# Altium PCB PMSM_Motor_Controller_v2_PCB.PcbDoc (part 3 of 3) (continued)
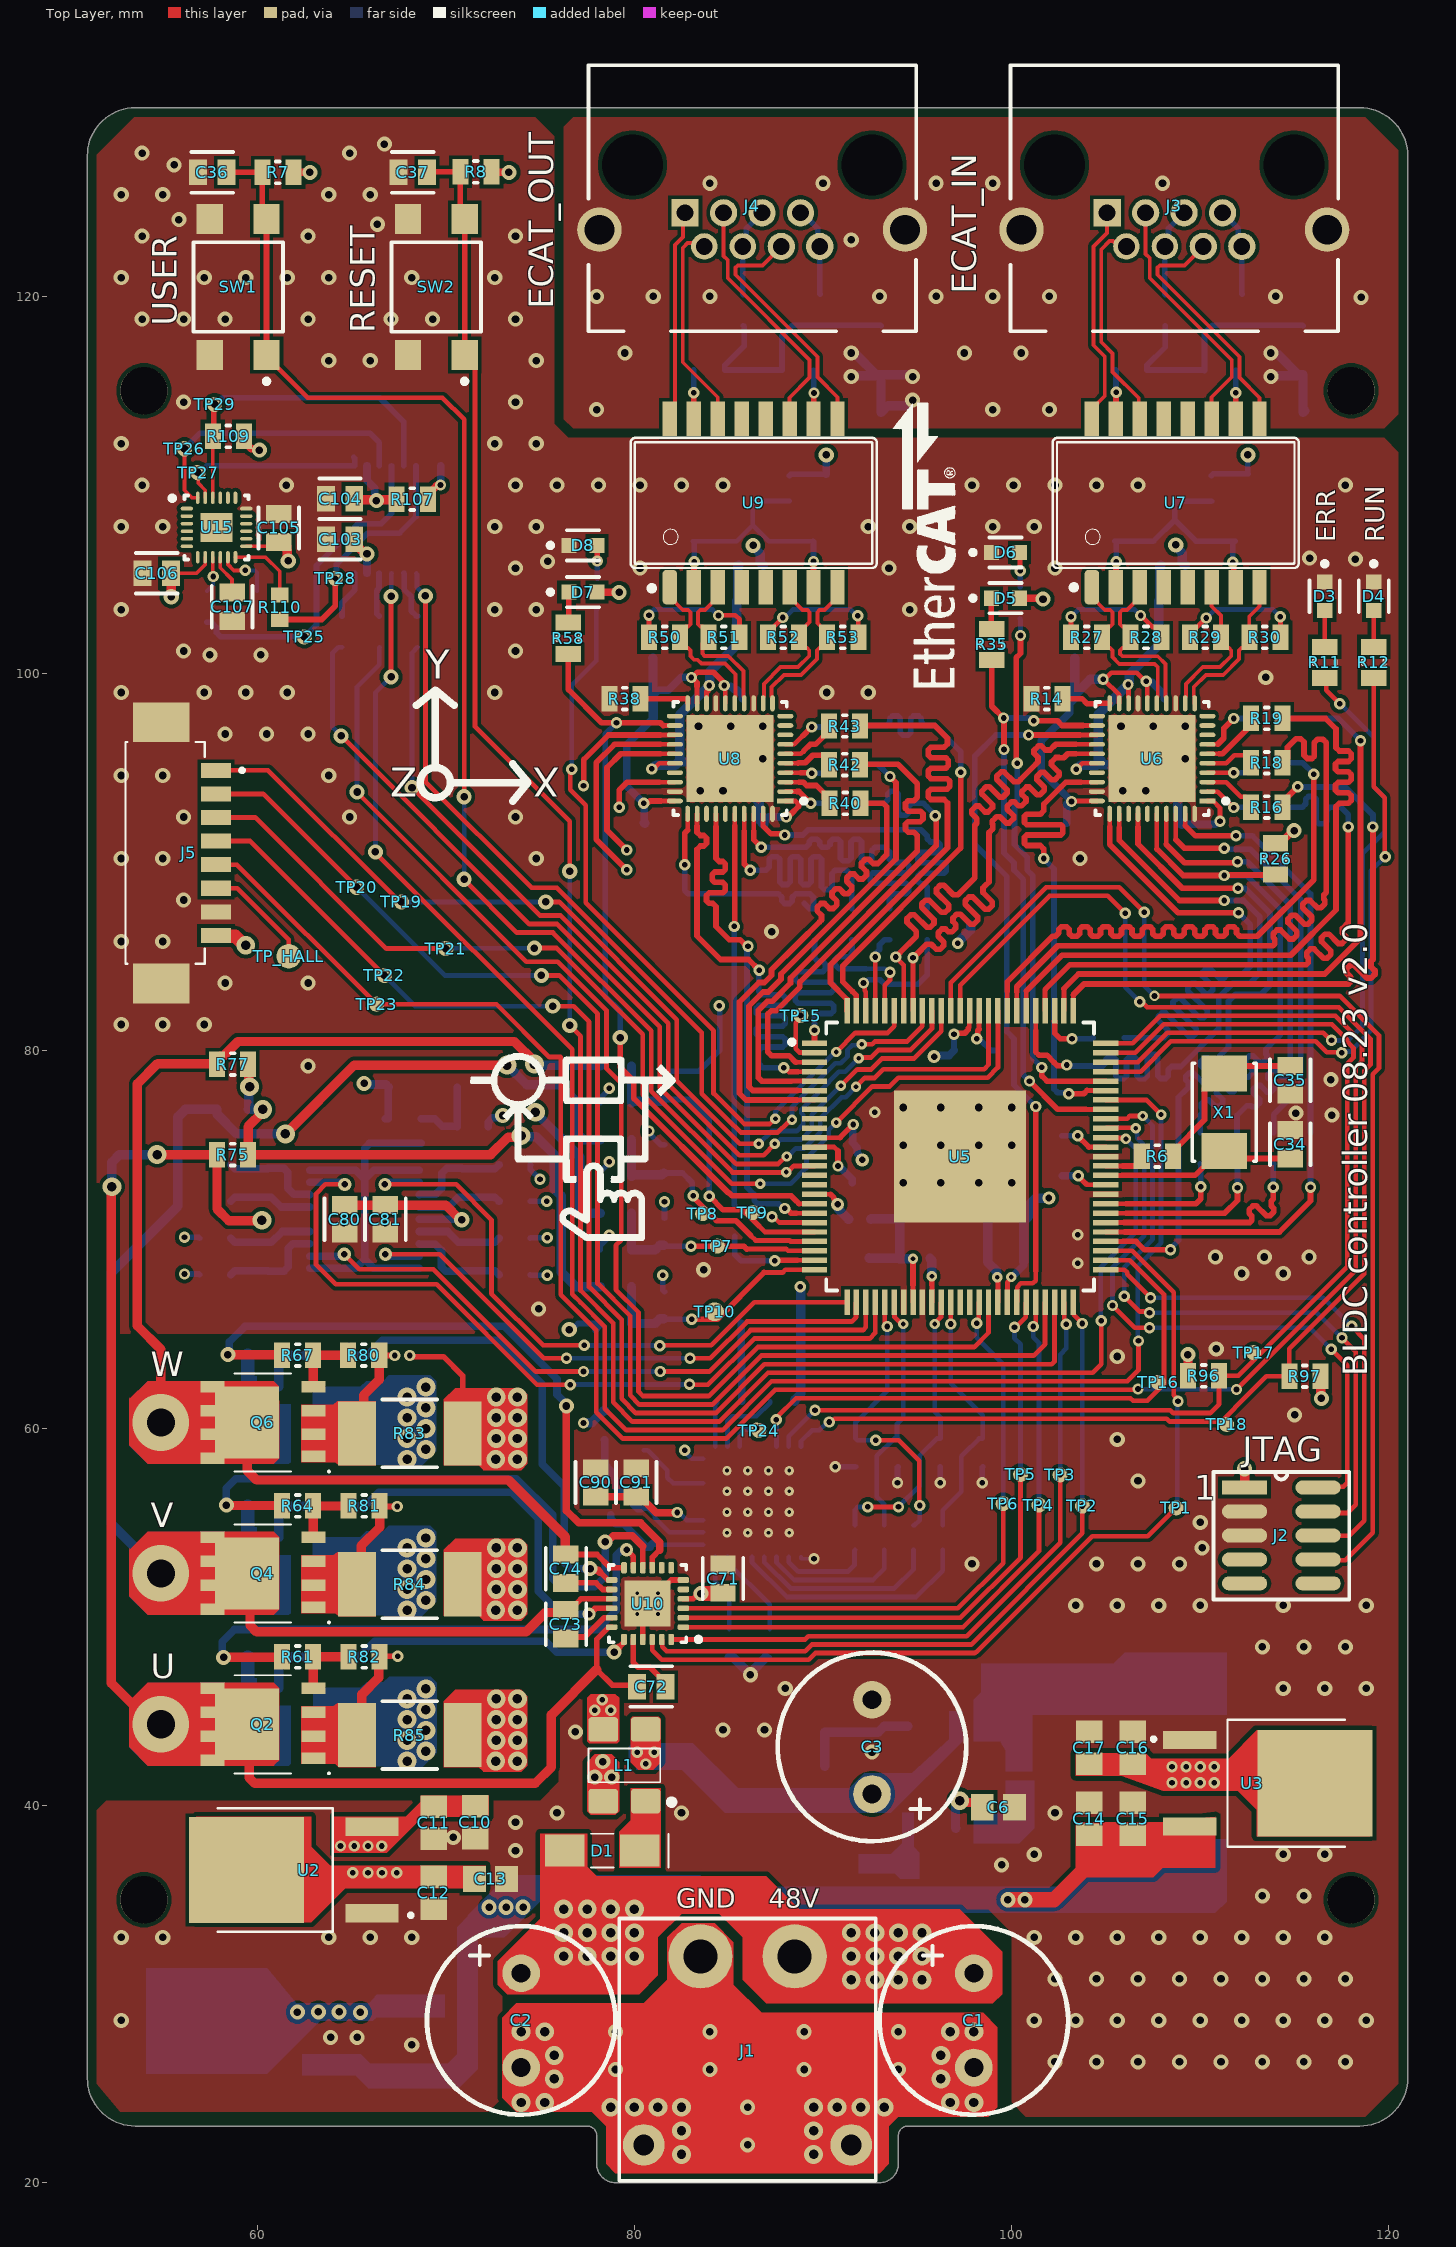
[diagram p0: Top Layer view]
## Nets (pads, with @x,y where several pads share a name; then routed paths per layer and width w, separated by ;. In a path a pad name is that pad's centre, name@x,y a point inside that pad or via, vN(x,y) a via of type N, cw(c..) or ccw(c..) an arc to the next point about the centre after c; other vN are vias at no path point) (continued)
NetR46_2: R46.2 U8.39 | length 18.2
  Top Layer w0.25: 86.825,91.925 U8.39@86.825,92.572
  Top Layer w0.3: 86.825,91.925 87.243,91.507 87.918,91.507 v2(87.975,91.45)
  Bottom Layer w0.3: v2(87.975,91.45) 88.925,91.45 89.2,91.725 95.2,91.725 95.525,91.4 95.525,91.25 95.701,91.074 96.087,91.074 96.225,90.936 96.225,90.659 96.087,90.52 95.166,90.52 95.027,90.382 95.027,90.105 95.166,89.966 96.403,89.966 96.541,89.828 96.541,89.551 96.403,89.412 95.166,89.412 95.027,89.274 95.027,88.997 95.166,88.858 95.349,88.858 95.525,88.683 95.525,88.455 R46.2@95.525,87.55
NetR47_2: R47.2 U8.38 | length 21.6
  Top Layer w0.25: 86.325,91.65 U8.38@86.325,92.572
  Top Layer w0.3: 86.325,91.65 86.325,91.2 v2(86.725,90.8)
  Bottom Layer w0.3: v2(86.725,90.8) 88.943,90.8 89.093,90.8 89.268,90.976 89.268,91.087 89.407,91.225 89.684,91.225 89.822,91.087 89.822,90.937 89.961,90.798 90.238,90.798 90.376,90.937 90.376,91.087 90.515,91.225 90.792,91.225 90.93,91.087 90.93,90.213 91.069,90.075 91.346,90.075 91.484,90.213 91.484,91.087 91.623,91.225 91.9,91.225 92.038,91.087 92.038,90.17 92.177,90.031 92.454,90.031 92.592,90.17 92.592,90.624 92.768,90.8 93.225,90.8 93.275,90.8 93.525,90.55 93.525,90.314 93.525,90.164 93.701,89.988 94.403,89.988 94.541,89.849 94.541,89.572 94.403,89.434 92.647,89.434 92.509,89.295 92.509,89.018 92.647,88.88 94.403,88.88 94.541,88.741 94.541,88.464 94.403,88.326 93.701,88.326 93.525,88.15 R47.2@93.525,87.55
NetR48_2: R48.2 U8.37 | length 18.6
  Top Layer w0.25: 85.825,91.65 U8.37@85.825,92.572
  Top Layer w0.3: 85.825,91.65 85.825,89.901 v2(86.15,89.575)
  Bottom Layer w0.3: v2(86.15,89.575) 86.825,89.575 86.975,89.575 87.151,89.751 87.151,90.162 87.289,90.3 87.566,90.3 87.705,90.162 87.705,88.963 87.843,88.825 88.12,88.825 88.259,88.963 88.259,90.162 88.397,90.3 88.674,90.3 88.813,90.162 88.813,88.963 88.951,88.825 89.228,88.825 89.367,88.963 89.367,90.162 89.505,90.3 89.782,90.3 89.921,90.162 89.921,88.697 90.059,88.559 90.336,88.559 90.475,88.697 90.475,89.399 90.65,89.575 91.05,89.575 91.25,89.575 91.525,89.3 R48.2@91.525,87.55
NetR49_2: R49.2 U8.36 | length 20.8
  Top Layer w0.25: 85.325,91.95 U8.36@85.325,92.572
  Top Layer w0.3: v2(85.3,86.6) 85.325,86.625 85.325,91.95
  Bottom Layer w0.3: v2(85.3,86.6) 85.3,71.85 R49.2@85.325,71.825
NetR54_2: R54.2 U9.10 | length 2.6
  Top Layer w0.3: U9.10@89.5,113.514 89.512,113.527 89.512,114.862 v2(89.525,114.875)
  Bottom Layer w0.3: R54.2@89.5,116.075 89.512,116.062 89.512,114.888 v2(89.525,114.875)
NetR55_2: R55.2 U9.15 | length 2.6
  Top Layer w0.3: U9.15@83.15,113.514 v2(83.15,114.9)
  Bottom Layer w0.3: v2(83.15,114.9) R55.2@83.15,116.1
NetR60_2: R60.2 U10.19 | length 15.7
  Top Layer w0.3: v1@79.175,48.375 79.45,48.65 U10.19@79.45,48.8
  Top Layer w0.4: v1(78.925,48.125) v1@79.175,48.375
  Bottom Layer w0.4: R60.2@64.675,47.875 64.725,47.925 65.45,47.925 66.225,48.7 75.3,48.7 75.875,48.125 v1(78.925,48.125)
NetR61_2: R61.2 U10.11 | length 30.2
  Top Layer w0.3: v6(79.589,53.55) 79.95,53.189 U10.11@79.95,52.6
  Top Layer w0.5: v1(58.225,47.85) 58.238,47.863 61.313,47.863 R61.2@61.325,47.875
  Bottom Layer w0.4: v1(58.225,47.85) 58.148,47.927 58.148,48.673 58.8,49.325 78.025,49.325 79.05,50.35 79.05,53.266 79.284,53.5 79.539,53.5 v6(79.589,53.55)
NetR63_2: R63.2 U10.16 | length 19.5
  Top Layer w0.3: 77.909,50.425 77.934,50.45 U10.16@78.8,50.45
  Top Layer w0.35: v6(77.6,50.141) 77.625,50.141 77.909,50.425
  Bottom Layer w0.4: R63.2@64.675,55.875 65.725,55.875 66.45,56.6 73.5,56.6 74.9,55.2 74.9,51.35 76.108,50.142 v6(77.6,50.141) v6(77.6,50.141)
NetR64_2: R64.2 U10.10 | length 34.1
  Top Layer w0.3: U10.10@80.45,52.6 80.45,53.749
  Top Layer w0.4: v1(78.45,53.975) 78.558,53.975 78.883,54.3 79.899,54.3 80.45,53.749
  Top Layer w0.5: v1(58.375,55.925) 58.4,55.9 61.3,55.9 R64.2@61.325,55.875
  Bottom Layer w0.4: v1(58.375,55.925) 58.375,56.825 58.875,57.325 73.75,57.325 75.675,55.4 75.675,52.025 76.1,51.6 77.9,51.6 78.45,52.15 v1(78.45,53.975)
NetR66_2: R66.2 U10.13 | length 25.2
  Top Layer w0.3: 78.175,52.372 78.597,51.95 U10.13@78.8,51.95
  Top Layer w0.4: v1(77.65,52.55) 77.727,52.473 78.074,52.473 78.175,52.372
  Bottom Layer w0.4: R66.2@64.875,64.35 64.65,64.125 R66.2@64.65,63.875 65.85,63.875 66.625,64.65 72.8,64.65 75.125,62.325 75.125,58.075 76.275,56.925 76.275,52.875 76.6,52.55 v1(77.65,52.55)
NetR67_2: R67.2 U10.9 | length 36.8
  Top Layer w0.3: U10.9@80.95,52.6 80.95,53.15 81.338,53.537
  Top Layer w0.4: v1(76.4,61.175) 76.4,55.634 77.059,54.975 80.325,54.975 81.338,53.963 81.338,53.537
  Top Layer w0.5: v1(58.45,63.9) 58.462,63.887 61.312,63.887 R67.2@61.325,63.875
  Bottom Layer w0.4: v1(58.45,63.9) 58.527,63.977 58.527,64.567 59.359,65.4 73.1,65.4 75.9,62.6 75.9,61.783 76.4,61.283 v1(76.4,61.175)
NetR75_1: R75.1 R76.1 R77.1 R78.2 | length 31.8
  Top Layer w0.5: R77.1@59.525,79.3 59.562,79.262 59.562,78.137 v3(59.6,78.1) ; v3(60.3,76.9) 60.3,76.765 59.525,75.99 59.525,74.9 R75.1@59.525,74.5 72.379,74.5 73.305,75.427 73.927,75.427 v3(74,75.5)
  Bottom Layer w0.5: v3(59.6,78.1) 59.562,78.062 59.562,76.938 R76.1@59.525,76.9 v3(60.3,76.9) ; v3(74,75.5) 74.043,75.457 74.793,75.457 75.75,74.5 75.75,72.686 76.125,72.311 76.125,68.275 76.9,67.5 R78.2@78.2,67.5
NetR86_2: R86.2 R87.1 U11.1 | length 4.2
  Bottom Layer w0.4: U11.1@68.7,76.4 69.416,76.4 69.809,76.006 70.569,76.006 R86.2@70.6,75.975 R87.1@70.6,78.075
NetR98_1: R98.1 U13.20 | length 10.2
  Bottom Layer w0.25: U13.20@86.885,53.175 86.885,52.9 88.285,51.5 93.775,51.5 94.8,52.525 R98.1@94.8,53.55
NetR99_1: R99.1 U13.19 | length 7.6
  Bottom Layer w0.25: U13.19@87.535,53.175 87.535,52.9 88.485,51.95 92.65,51.95 93.25,52.55 R99.1@93.25,53.55
NetR100_1: R100.1 U13.18 | length 4.9
  Bottom Layer w0.25: U13.18@88.185,53.175 88.185,52.9 88.685,52.4 91.325,52.4 91.675,52.75 91.675,53.525 R100.1@91.7,53.55
NetR101_1: R101.1 U13.21 | length 12.8
  Bottom Layer w0.25: U13.21@86.235,53.175 86.235,52.9 88.085,51.05 94.95,51.05 96.35,52.45 R101.1@96.35,53.55
NetR102_1: R102.1 U13.1 | length 2.5
  Bottom Layer w0.25: U13.1@84.285,59.025 84.285,61.31 R102.1@84.4,61.425 R102.1@84.4,61.35
NetR103_1: R103.1 U13.2 | length 4.1
  Bottom Layer w0.25: U13.2@84.935,59.025 84.935,60.36 85.2,60.625 86.475,60.625 87.2,61.35 R103.1@87.2,61.425
NetR104_1: R104.1 U14.16 | length 2.6
  Bottom Layer w0.3: R104.1@64.5,103.05 64.5,103.763 65.175,104.438 U14.16@65.175,105.325
NetR105_1: R105.1 U14.14 | length 2.4
  Bottom Layer w0.3: R105.1@66.475,103.05 66.35,103.175 66.35,104.411 66.466,104.527 66.466,105.316 U14.14@66.475,105.325
NetR106_1: R106.1 U14.12 | length 2.6
  Bottom Layer w0.3: U14.12@67.775,105.325 67.793,105.307 67.793,104.468 68.175,104.086 68.175,103.325 68.45,103.05 R106.1@68.5,103.05
NetR107_1: R107.1 U14.8 | length 2.2
  Top Layer w0.4: R107.1@69.05,109.25 69.05,109.5 69.512,109.962 69.687,109.962 v2(69.725,110)
  Bottom Layer w0.4: v2(69.725,110) U14.8@69.725,111.025
NetR108_2: R108.2 U15.9 | length 2
  Top Layer w0.2: U15.9@57.65,106.175 57.65,105.17 v2(57.67,105.15) 57.67,105.195 v2@57.7,105.225
  Bottom Layer w0.2: R108.2@57.325,104.375 57.345,104.375 57.67,104.7 v2(57.67,105.15)
NetR110_1: R110.1 U15.12 | length 3.9
  Top Layer w0.2: U15.12@58.85,106.175 60.45,106.175 61.2,105.425 R110.1@61.2,104.175
NetR111_2: R111.2 U15.11 | length 3.1
  Top Layer w0.2: U15.11@58.45,106.175 58.45,105.784 58.759,105.475 v2(59.364,105.475)
  Bottom Layer w0.2: v2(59.364,105.475) 59.883,105.475 60,105.358 R111.2@60,104.375
NetU11_3: U11.3 U11.4 U12.1 U12.9 U12.12 U12.20 | length 21.4
  Bottom Layer w0.4: U12.12@62.8,68.475 65.225,68.475 65.7,68.95 ; U12.20@62.8,73.675 65.225,73.675 65.7,73.2 ; U12.9@68.6,68.475 66.175,68.475 65.7,68.95 ; U12.1@68.6,73.675 66.175,73.675 65.7,73.2 ; U11.3@68.7,75.1 U11.4@66.8,75.1 65.959,75.1 65.7,74.841 65.7,73.2 ; 65.7,68.95 65.7,73.2
OUT_PFB: C59.1 C60.1 C61.1 C62.1 U8.16 U8.19 U8.30 | length 20.2
  Top Layer w0.25: 81.4,93.25 U8.30@82.147,93.25 ; 83.317,99.318 83.325,99.31 U8.19@83.325,98.428 ; v2(84.767,99.375) 84.821,99.321 84.821,98.432 U8.16@84.825,98.428
  Top Layer w0.3: v2(80.5,93.125) 80.557,93.182 80.758,93.182 80.826,93.25 81.4,93.25 ; 83.317,99.318 83.317,99.525 83.042,99.8 v2(83.025,99.8) 83.072,99.8 83.351,100.079 84.183,100.079 84.71,99.552 84.71,99.432 v2(84.767,99.375)
  Bottom Layer w0.4: v2(80.5,93.125) 79.6,94.025 79.6,96.225 81,97.625 ; C62.1@80.525,92.1 v2@80.525,93.1 ; C60.1@81,98.675 81,98.85 81.275,99.125 81.8,99.125 82.475,99.8 v2(83.025,99.8) ; v2@84.825,99.35 84.8,99.375 v2(84.767,99.375) 84.806,99.337 85.113,99.337 85.3,99.15 85.45,99.15 85.725,98.875 C61.1@85.725,98.675
  Bottom Layer w0.5: v2(80.5,93.125) v2@80.525,93.1 ; C62.1@80.525,92.1 C62.1@80.55,92.075 ; C59.1@80.975,100.825 80.988,100.812 80.988,98.687 C60.1@81,98.675 81,97.625
OUT_RD_N: R53.1 U8.11 U9.8 | length 8.8
  Top Layer w0.206: U8.11@87.325,98.428 87.325,98.745 87.28,98.79 87.28,99.289 87.926,99.935 88.844,99.935 89.68,100.771 89.68,101.232 89.8,101.353 89.903,101.353 90.225,101.675 90.225,102.175 89.705,102.695 89.705,103.254 89.825,103.375 90.086,103.375 90.77,104.059 U9.8@90.77,104.586
OUT_RD_P: R52.1 U8.12 U9.6 | length 8.8
  Top Layer w0.206: U8.12@86.825,98.428 86.825,98.745 86.87,98.79 86.87,99.459 87.756,100.345 88.674,100.345 89.27,100.941 89.27,101.232 89.15,101.353 89.047,101.353 88.725,101.675 88.725,102.175 89.295,102.745 89.295,103.254 89.175,103.375 88.914,103.375 88.23,104.059 U9.6@88.23,104.586
OUT_TD_N: R51.1 U8.14 U9.3 | length 8.8
  Top Layer w0.206: U9.3@84.42,104.586 84.42,104.059 83.736,103.375 83.5,103.375 83.38,103.254 83.38,102.618 83.5,102.497 83.603,102.497 83.925,102.175 R51.1@83.925,101.925 83.603,101.603 83.603,101.062 83.724,100.941 84.979,100.941 85.78,100.14 85.78,98.79 85.825,98.745 U8.14@85.825,98.428
OUT_TD_P: R50.1 U8.15 U9.1 | length 9.2
  Top Layer w0.206: U9.1@81.88,104.586 81.88,104.059 82.564,103.375 82.85,103.375 82.97,103.254 82.97,102.618 82.85,102.497 82.747,102.497 82.425,102.175 82.425,101.675 82.747,101.353 82.85,101.353 82.97,101.232 82.97,100.93 83.164,100.737 83.349,100.737 83.554,100.532 84.809,100.532 85.37,99.97 85.37,98.79 85.325,98.745 U8.15@85.325,98.428
R\E\S\E\T\: C37.1 R8.2 SW2.1 SW2.2 U5.65 | length 111.9
  Top Layer w0.25: SW2.1@71,116.9 71.55,116.35 71.55,97.2 76.575,92.175 v1(76.575,89.525) ; v1(76.575,81.35) 77.15,80.775 77.15,67.298 78.875,65.573 78.875,61.374 79.899,60.35 84.496,60.35 87.085,62.939 104.293,62.939 104.75,63.396 v2(104.75,65.7) ; U5.65@105,75.4 105.02,75.38 106.014,75.38 v4(106.061,75.333)
  Top Layer w0.3: C37.1@69,126.575 69.025,126.6 R8.2@70.775,126.6 70.775,124.325 SW2.2@71,124.1 SW2.1@71,116.9
  Bottom Layer w0.25: v1(76.575,81.35) v1(76.575,89.525) ; v2(104.75,65.7) 104.725,65.725 104.725,68.543 106.575,70.393 106.575,74.819 v4(106.061,75.333)
RJ45_IN_RD_N: J3.6 U7.9 | length 13.2
  Top Layer w0.206: J3.6@110.165,122.65 109.162,121.647 107.854,121.647 107.733,121.526 107.733,121.149 112.08,116.803 112.08,115.695 113.145,114.63 U7.9@113.145,113.514
RJ45_IN_RD_P: J3.3 U7.11 | length 13.2
  Top Layer w0.206: J3.3@107.105,124.43 107.105,122.251 107.324,122.032 107.324,120.98 111.67,116.634 111.67,115.72 110.605,114.655 U7.11@110.605,113.514
RJ45_IN_TD_N: J3.2 U7.14 | length 11.5
  Top Layer w0.206: J3.2@106.085,122.65 105.857,122.878 105.421,122.878 105.367,122.932 105.197,122.932 104.75,122.486 104.75,117.579 105.348,116.98 105.348,116.002 106.74,114.61 106.74,113.57 U7.14@106.795,113.514
RJ45_IN_TD_P: J3.1 U7.16 | length 11.7
  Top Layer w0.206: U7.16@104.255,113.514 104.255,114.041 104.939,114.725 104.939,116.811 104.461,117.289 104.341,117.409 104.341,122.655 105.05,123.364 105.05,124.415 J3.1@105.065,124.43
RJ45_OUT_RD_N: J4.6 U9.9 | length 13.2
  Top Layer w0.206: J4.6@87.79,122.65 86.787,121.647 85.479,121.647 85.358,121.526 85.358,121.149 89.705,116.803 89.705,115.72 90.77,114.655 U9.9@90.77,113.514
RJ45_OUT_RD_P: J4.3 U9.11 | length 13.2
  Top Layer w0.206: J4.3@84.73,124.43 84.73,122.145 84.949,121.926 84.949,120.98 89.295,116.634 89.295,115.695 88.23,114.63 U9.11@88.23,113.514
RJ45_OUT_TD_N: J4.2 U9.14 | length 11.1
  Top Layer w0.206: J4.2@83.71,122.65 83.538,122.822 82.822,122.822 82.564,122.564 82.564,116.511 84.42,114.655 U9.14@84.42,113.514
RJ45_OUT_TD_P: J4.1 U9.16 | length 11.3
  Top Layer w0.206: U9.16@81.88,113.514 82.155,113.789 82.155,122.734 82.573,123.152 82.573,124.313 J4.1@82.69,124.43
U: C72.2 Q1.S Q2.D R62.1 R69.2 R75.2 U10.18 | length 104.4
  Top Layer w0.3: U10.18@78.8,49.45 78.65,49.45 78,48.8 78,47.2 78.825,46.375 80.075,46.375 C72.2@80.15,46.3
  Top Layer w0.5: v3(52.3,72.8) 52.275,72.775 52.275,46.475 54.45,44.3 v7(54.9,44.3) ; v3(54.7,74.5) R75.2@57.875,74.5 57.875,71.625 58.5,71 60.225,71 v3(60.25,71.025) ; Q2.D@59.47,44.3 59.575,44.195 59.575,41.468 59.868,41.175 74.75,41.175 75.6,42.025 75.6,44.8 78,47.2
  Int2 (PWR) w0.5: v3(60.25,71.025) 61.775,71.025 63.25,72.5 63.25,78 65,79.75 68.307,79.75 70.057,78 73.5,78 v3(74.75,76.75)
  Bottom Layer w0.5: v3(52.3,72.8) 52.3,74.1 52.7,74.5 v3(54.7,74.5) ; v3(74.75,76.75) 77.1,74.4 77.1,71.7 77.4,71.4 R69.2@78.2,71.4
  Bottom Layer w0.7: R62.1@59.5,47.875 59.5,46.536 59.537,46.499
USR_BTN: C36.1 R7.2 SW1.1 SW1.2 U5.14 | length 75
  Top Layer w0.25: SW1.1@60.5,116.9 60.5,116.8 62.675,114.625 69.825,114.625 70.975,113.475 v1(70.975,93.475) ; v1(70.975,89.1) 70.975,89.076 73.776,86.275 75.686,86.275 80.9,81.061 80.9,77.864 85.208,73.556 88.031,73.556 v4(88.05,73.575) 88.131,73.575 88.456,73.9 U5.14@89.55,73.9
  Top Layer w0.3: C36.1@58.375,126.575 R7.2@60.275,126.575 60.275,124.325 SW1.2@60.5,124.1 SW1.1@60.5,116.9
  Bottom Layer w0.25: v1(70.975,89.1) v1(70.975,93.475)
V: C73.2 Q3.S Q4.D R65.1 R71.2 R76.2 U10.15 | length 78.5
  Top Layer w0.3: C73.2@76.725,50.35 76.725,50.5 77.175,50.95 U10.15@78.8,50.95
  Top Layer w0.5: Q4.D@59.47,52.3 59.625,52.145 59.625,49.55 59.975,49.2 74.259,49.2 75.287,50.228 76.253,50.228 C73.2@76.375,50.35 C73.2@76.725,50.35 ; v3(61.5,75.6) 65.15,79.25 v3(73.25,79.25)
  Bottom Layer w0.5: v7(54.9,52.3) 52.275,54.925 52.275,68.25 55.8,71.775 55.8,76.5 56.2,76.9 R76.2@57.875,76.9 57.875,76.65 58.925,75.6 v3(61.5,75.6) ; v3(73.25,79.25) 74.298,78.202 76.048,78.202 77,77.25 77,75.593 77.293,75.3 R71.2@78.2,75.3
  Bottom Layer w0.7: R65.1@59.5,55.875 59.5,54.536 59.537,54.499
VDDC: C29.1 C30.1 C31.1 C32.1 C33.1 U5.12 U5.42 U5.64 U5.86 | length 45.9
  Top Layer w0.25: U5.12@89.55,74.9 90.6,74.9 90.8,74.7 ; 98.275,81.15 U5.86@98.275,82.125 ; v4(99.236,67.999) 99.275,67.96 U5.42@99.275,66.675 ; 104.1,74.9 U5.64@105,74.9
  Top Layer w0.3: v2(90.8,73.9) 90.8,74.7 ; v2(98.15,80.65) 98.207,80.707 98.207,81.082 98.275,81.15 ; v2(103.5,75.5) 104.1,74.9
  Int2 (PWR) w0.4: v2(90.8,73.9) 90.805,73.9 95.405,69.3 97.935,69.3 v4(99.236,67.999) 99.265,68.027 99.265,68.248 102.017,71 102.466,71 102.825,71.359 102.825,74.825 v2(103.5,75.5) 103.5,77.21 104.1,77.81 104.1,80.9 103.65,81.35 98.829,81.35 98.594,81.116 98.594,81.094 v2(98.15,80.65)
  Bottom Layer w0.3: v2(98.15,80.65) 98.207,80.593 98.332,80.593 98.9,80.025 C33.1@99.1,80.025 ; C32.1@102.65,75.5 v2(103.5,75.5)
  Bottom Layer w0.4: v2(90.8,73.9) 90.829,73.871 90.879,73.871 91.55,73.2 C30.1@91.55,73
  Bottom Layer w0.5: C29.1@98.725,71.15 C31.1@98.725,69 98.725,68.8 99.227,68.298 99.227,68.008 v4(99.236,67.999)
W: C74.2 Q5.S Q6.D R68.1 R73.2 R77.2 U10.12 | length 71.3
  Top Layer w0.3: C74.2@76.725,53.3 78.025,53.3 78.725,52.6 U10.12@79.45,52.6
  Top Layer w0.5: v7(54.9,60.3) 54.9,64.175 53.65,65.425 53.65,78.25 54.725,79.325 R77.2@57.875,79.325 ; R77.2@57.875,79.3 57.875,79.55 58.05,79.725 58.214,79.725 58.989,80.5 73.635,80.5 74.7,79.435 v3(74.7,79.3) ; Q6.D@59.47,60.3 59.47,57.755 59.975,57.25 73.325,57.25 76.343,54.232 76.343,53.332 C74.2@76.375,53.3 C74.2@76.725,53.3
  Bottom Layer w0.5: v3(74.7,79.3) 74.75,79.25 78.15,79.25 R73.2@78.2,79.2
  Bottom Layer w0.7: R68.1@59.5,63.875 59.5,62.536 59.537,62.499
pads on no net: J2.7 J2.9 J2.10 J3.MH3 J3.MH4 J4.MH3 J4.MH4 R94.1 R95.1 U5.8 U5.9 U5.10 U5.13 U5.15 U5.16 U5.38 U5.39 U6.8 U6.9 U6.10 U6.21 U6.27 U6.33 U6.35 U7.4 U7.5 U7.12 U7.13 U8.8 U8.9 U8.10 U8.21 U8.27 U8.33 U8.35 U9.4 U9.5 U9.12 U9.13 U10.5 U10.7 U10.8 U12.10 U12.11 U13.5 U13.9 U13.10 U13.11 U13.12 U13.13 U13.14 U13.15 U13.16 U13.22 U13.31 U14.7 U14.10 U15.1 U15.2 U15.3 U15.4 U15.5 U15.6 U15.7 U15.14 U15.15 U15.16 U15.17 U15.19 U15.20 U15.21 U15.25

## Polygon pours and split planes (outlines as drawn)
3.3V on Int2 (PWR) "3.3V_L03_P012" (solid, pour order 12): 100,33.25 100,24.275 100.775,23.5 118.75,23.5 120.5,25.25 120.5,111.75 119.75,112.5 76.5,112.5 75.75,113.25 75.75,129 75.25,129.5 53.5,129.5 51.5,127.5 51.5,64.5 52,64 69,64 70,63 70,38 72.25,35.75 83.75,35.75 85.25,34.25 99,34.25
+48V_CON on Int2 (PWR) "+48V_CON_L03_P000" (solid, pour order 0): 98.75,33.75 97.5,33.75 85,33.75 83.25,35.5 71.75,35.5 69.75,37.5 69.75,62.5 69,63.25 52.25,63.25 51.5,62.5 51.5,25.25 52.75,23.75 77.75,23.75 78.5,23 78.5,21 79,20.5 93,20.5 93.5,21 93.5,23 94,23.5 98.75,23.5 99.5,24.25 99.5,33
GND_CHASIS on Int2 (PWR) "GND_CHASIS_L03_P005" (solid, pour order 5): 118.75,129.5 120.5,127.75 120.5,113.75 119.75,113 76.75,113 76.25,113.5 76.25,129 76.75,129.5
GND_C on Int1 (GND) "GND_C_L02_P016" (solid, pour order 16): 99.25,24 99.25,32.5 97.25,34.5 88.75,34.5 76.5,46.75 76.5,47 74.5,49 74.5,63 76.5,65 81.75,65 82.75,66 85.3,79.3 85.3,82.4 79,82.4 75,77.75 75,77.5 71.5,74 71.5,66 68.75,63.25 52.25,63.25 51.5,62.5 51.5,25 52.75,23.75 77.75,23.75 78.5,23 78.5,21 79,20.5 93,20.5 93.5,21 93.5,23 94,23.5 98.75,23.5
GND on Int1 (GND) "GND_L02_P018" (solid, pour order 18): 100,32.25 100,24.25 100.75,23.5 118.75,23.5 120.5,25.25 120.5,111.75 119.75,112.5 76.5,112.5 75.75,113.25 75.75,128.75 75,129.5 53.5,129.5 51.5,127.5 51.5,64.25 52,63.75 68.25,63.75 71,66.5 71,74.75 79.05,82.8 85.9,82.8 85.8,78.3 82.989,65.775 81.714,64.5 76.75,64.5 75,62.75 75,49.25 89.25,35 97.25,35
GND_CHASIS on Int1 (GND) "GND_CHASIS_L02_P008" (solid, pour order 8): 118.75,129.5 120.5,127.75 120.5,113.75 119.75,113 76.75,113 76.25,113.5 76.25,129 76.75,129.5
GND on Top Layer "GND_L01_P013" (solid, remove dead copper, pour order 13): 100.75,23.5 100,24.25 100,33.25 98.75,34.5 88.75,34.5 87,36.25 75,36.25 75,34 73,32 73,24.5 72.25,23.75 52.75,23.75 51.5,25.25 51.5,39.75 52,40.25 52.5,40.25 75,40.25 76,41.25 76,61.5 72.5,65 52,65 51.5,65.5 51.5,127.5 53.5,129.5 74.75,129.5 75.75,128.5 75.75,113.25 76.5,112.5 119.75,112.5 120.5,111.75 120.5,25.25 118.75,23.5
GND_CHASIS on Top Layer "GND_CHASIS_L01_P009" (solid, pour order 9): 118.75,129.5 120.5,127.75 120.5,113.75 119.75,113 76.75,113 76.25,113.5 76.25,129 76.75,129.5
GND on Bottom Layer "GND_L04_P014" (solid, remove dead copper, pour order 14): 100.75,23.5 100,24.25 100,33.25 98.75,34.5 88.75,34.5 87,36.25 75,36.25 75,34 73,32 73,24.5 72.25,23.75 52.75,23.75 51.5,25.25 51.5,39.75 52,40.25 52.5,40.25 75,40.25 76,41.25 76,61.5 72.5,65 52,65 51.5,65.5 51.5,127.5 53.5,129.5 74.75,129.5 75.75,128.5 75.75,113.25 76.5,112.5 119.75,112.5 120.5,111.75 120.5,25.25 118.75,23.5
GND_CHASIS on Bottom Layer "GND_CHASIS_L04_P010" (solid, pour order 10): 118.75,129.5 120.5,127.75 120.5,113.75 119.75,113 76.75,113 76.25,113.5 76.25,129 76.75,129.5

## Other copper
Top Layer:
  region net 5V: 64.675,35.6 62.875,33.8 56.775,33.8 56.775,39.4 62.875,39.4 62.875,37.8 63.875,36.8 68.675,36.8 72.125,36.8 72.125,35.6
  region net 10V: 108,39.113 110.8,39.4 110.8,36.7 108,36.7 107.5,36.2 103.4,36.2 103.4,39.113
  region net 10V: 72.275,40.5 68.675,40.5 68.675,40.2 67.875,39.4 64.1,39.4 64.1,37.5 66.875,37.5 68.275,38.9 68.775,39.4 72.275,39.4
  region net 3.3V: 103.4,42.775 107.1,42.775 107.4,42.475 111.5,42.475 113,43.975 119,43.975 119,38.375 113,38.375 113,39.775 112,40.775 108,40.775 105.8,41.575 103.4,41.575
  region net GND: 77.6,43.3 79.1,43.3 79.2,43.4 79.2,45.7 79,45.9 77.7,45.9 77.5,45.7 77.5,43.4
  region net +48V: 79.8,44.6 79.9,44.7 81.3,44.7 81.4,44.6 81.4,42.3 81,41.9 80.2,41.9 79.8,42.3
  region net GND_C: 77.7,39.5 79,39.5 79.2,39.7 79.2,42.3 78.8,42.7 77.9,42.7 77.5,42.3 77.5,39.7
  region net GND_C: 82.5,33.75 84.25,33.75 85.25,32.75 85.25,30.5 86.75,29 98.5,29 99.25,28.25 99.25,24 98.75,23.5 94,23.5 93.5,23 93.5,21 93,20.5 79,20.5 78.5,21 78.5,23 77.75,23.75 73.75,23.75 73,24.5 73,28.75 73.75,29.5 80.5,29.5 81.75,30.75 81.75,33
  region net +48V_CON: 99,29.5 99.5,30 99.5,32.25 97.25,34.5 88.75,34.5 87,36.25 78,36.25 77.5,36.75 77.5,38.5 75,38.5 75,34 72.75,31.75 72.75,30.5 73.25,30 80.25,30 81.25,31 81.25,33 82.5,34.25 84.5,34.25 85.75,33 85.75,30.75 87,29.5
  region net NetD1_2: 79.2,36.7 79.2,38.6 79.8,39.2 79.8,40.9 81.4,40.9 81.4,36.7
  region net GND_C: 71.75,42.025 71.95,41.825 72,41.775 73.991,41.775 74.325,42.109 74.325,45.8 74,46.125 70.5,46.125 69.9,45.525 69.9,42.025 71.375,42.025
  region net GND_C: 71.75,58.025 71.95,57.825 72,57.775 73.991,57.775 74.325,58.109 74.325,61.8 74,62.125 70.5,62.125 69.9,61.525 69.9,58.025 71.375,58.025
  region net GND_C: 71.75,50.05 71.95,49.85 72,49.8 73.991,49.8 74.325,50.134 74.325,53.825 74,54.15 70.5,54.15 69.9,53.55 69.9,50.05 71.375,50.05
  region net NetQ2_S: 62.35,42.2 64.15,42.2 64.325,42.025 66.3,42.025 66.3,45.425 64.25,45.425 64.05,45.25 64.025,45.25 62.35,45.25 62.35,45.2
  region net NetQ4_S: 62.35,50.2 64.15,50.2 64.325,50.025 66.3,50.025 66.3,53.425 64.25,53.425 64.05,53.25 64.025,53.25 62.35,53.25 62.35,53.2
  region net U: 61.175,44.725 61.175,46.223 60.875,46.5 60.775,46.5 54.2,46.5 53.225,45.525 53.225,45.625 53.225,43.1 54.2,42.1 60.875,42.1 60.975,42.2 61.175,42.4
  region net V: 61.175,52.725 61.175,54.223 60.875,54.5 60.775,54.5 54.2,54.5 53.225,53.525 53.225,53.625 53.225,51.1 54.2,50.1 60.875,50.1 60.975,50.2 61.175,50.4
  region net W: 61.175,60.725 61.149,62.226 60.875,62.5 60.775,62.5 54.2,62.5 53.225,61.525 53.225,61.625 53.225,59.1 54.2,58.1 60.875,58.1 60.975,58.2 61.175,58.4
  region net NetQ6_S: 62.35,58.2 64.15,58.2 64.325,58.025 66.3,58.025 66.3,61.425 64.25,61.425 64.05,61.25 64.025,61.25 62.35,61.25 62.35,61.2
Bottom Layer:
  region net 10V: 70.1,26.3 70.5,26.7 70.6,26.8 70.6,33.55 71.225,34.175 74.2,34.1 73.1,33 71.7,33 71.7,26 70.7,25 70.1,25
  region net 10V: 62.4,26.8 65.5,26.8 66,26.3 70.1,26.3 70.1,25 65.9,25 65.2,25.7 62.4,25.7
  region net 1.8V: 69.935,29.975 69.935,28.775 66.335,28.775 66.135,28.575 63.335,28.575 60.55,25.775 54.125,25.775 54.125,31.375 60.535,31.375 62.075,29.5 65.955,29.5 66.335,29.975
  region net 10V: 111.4,38.2 111.4,34.9 110.8,34.3 83.6,34.3 82.7,35.2 75.3,35.2 73.2,33.1 74.15,34.05 71.75,34.1 71.2,34.1 71.15,34.1 71.2,34.2 73.3,36.3 83.5,36.3 84.1,35.7 103.5,35.7 106,38.2
  region net NetR3_1: 94.8,39.6 94.8,37.8 95.1,37.5 95.1,36.1 94.1,36.1 93.8,36.4 91.9,36.4 91.9,37.4 93.6,37.4 94.2,38 94.2,39.6
  region net NetC5_2: 98,39.6 99.2,39.6 99.7,40.1 99.7,41.3 101.2,41.3 101.2,38.8 100.4,38 98,38
  region net +48V: 97.4,45 97.4,43.4 93.6,39.6 84.8,39.6 82.5,41.9 80.1,41.9 80.1,42 79.7,42.4 79.7,43.1 79.9,43.3 83.1,43.3 85.5,40.9 91.4,40.9 92.2,41.7 94.7,41.7 96.7,43.518 96.7,45
  region net NetC5_1: 111.4,48.1 106,48.1 105.4,47.5 98.4,47.5 98.4,46 98,45.6 98,43.4 99.4,43.4 99.7,42.9 99.7,41.8 101.1,41.8 101.1,44.8 103.325,44.8 111.4,44.8
  region net +48V_CON: 69.175,62.8 69.5,62.475 69.5,58.775 69.175,58.45 68.65,57.925 66.8,57.925 66.675,58.05 65.775,58.05 65.475,58.35 62.95,58.35 62.95,62.2 65.475,62.2 65.775,62.5 66.675,62.5 66.975,62.8
  region net +48V_CON: 69.2,46.825 69.525,46.5 69.525,42.8 69.2,42.475 68.675,41.95 66.825,41.95 66.7,42.075 65.8,42.075 65.5,42.375 62.975,42.375 62.975,46.225 65.5,46.225 65.8,46.525 66.7,46.525 67,46.825
  region net +48V_CON: 69.175,54.825 69.5,54.5 69.5,50.8 69.175,50.475 68.65,49.95 66.8,49.95 66.675,50.075 65.775,50.075 65.475,50.375 62.95,50.375 62.95,54.225 65.475,54.225 65.775,54.525 66.675,54.525 66.975,54.825
  region net W: 59.975,62.75 59.788,62.75 59.537,62.499 54.2,62.499 53.225,61.524 53.225,59.075 54.2,58.1 61.675,58.1 61.775,58.2 61.775,61.275 60.475,61.275 59.975,61.775
  region net V: 59.975,54.75 59.788,54.75 59.537,54.499 54.2,54.499 53.225,53.524 53.225,51.075 54.2,50.1 61.675,50.1 61.775,50.2 61.775,53.275 60.475,53.275 59.975,53.775
  region net U: 59.975,46.75 59.788,46.75 59.537,46.499 54.2,46.499 53.225,45.524 53.225,43.075 54.2,42.1 61.675,42.1 61.775,42.2 61.775,45.275 60.475,45.275 59.975,45.775

## Silkscreen, mask and mechanical layers (free items; w line width, h text height)
Top Overlay:
  drawing of 24 lines, arcs and shapes, not listed
  text "ECAT_IN" at 98.113,120.154 h1.3 r90
  text "ECAT_OUT" at 75.713,119.354 h1.3 r90
  text "USER" at 55.746,118.454 h1.3 r90
  text "RESET" at 66.246,118.054 h1.3 r90
  text "ERR" at 117.146,106.954 h1 r90
  text "RUN" at 119.746,106.954 h1 r90
  text "Y" at 68.954,99.729 h1.52
  text "X" at 76.046,95.021 h1.52 r180
  text "Z" at 67.054,93.479 h1.52
  text "W" at 54.354,62.754 h1.3
  text "BLDC controller 08.23 v2.0" at 118.846,62.754 h1.3 r90
  text "JTAG" at 112.254,58.254 h1.3
  text "V" at 54.354,54.754 h1.3
  text "U" at 54.354,46.754 h1.3
  text "GND" at 82.225,34.575 h1
  text "48V" at 87.125,34.575 h1
Bottom Overlay:
  circle w0.5: c99.1,38.1 r0.025
Mechanical 1:
  lines w0.254: 53.5,130 118.5,130 ; 53.54,130 ccw(c53.54,127.46) 51,127.46 51,125.46 51,33 51,25.54 ccw(c53.54,25.54) 53.54,23 66.27,23 77.5,23 cw(c77.5,22.5) 78,22.5 78,21 ccw(c79,21) 79,20 93,20 ccw(c93,21) 94,21 94,22.5 cw(c94.5,22.5) 94.5,23 118.46,23 ccw(c118.46,25.54) 121,25.54 121,33 121,125.46 121,127.46 ccw(c118.46,127.46) 118.46,130

## Text inside footprints (layer, text, board x,y; h text height)
J2: Top Overlay "1" at 109.679,56.204 h1.3